# Altium PCB Copy of drac_v3.PcbDoc (part 3 of 5) (continued)
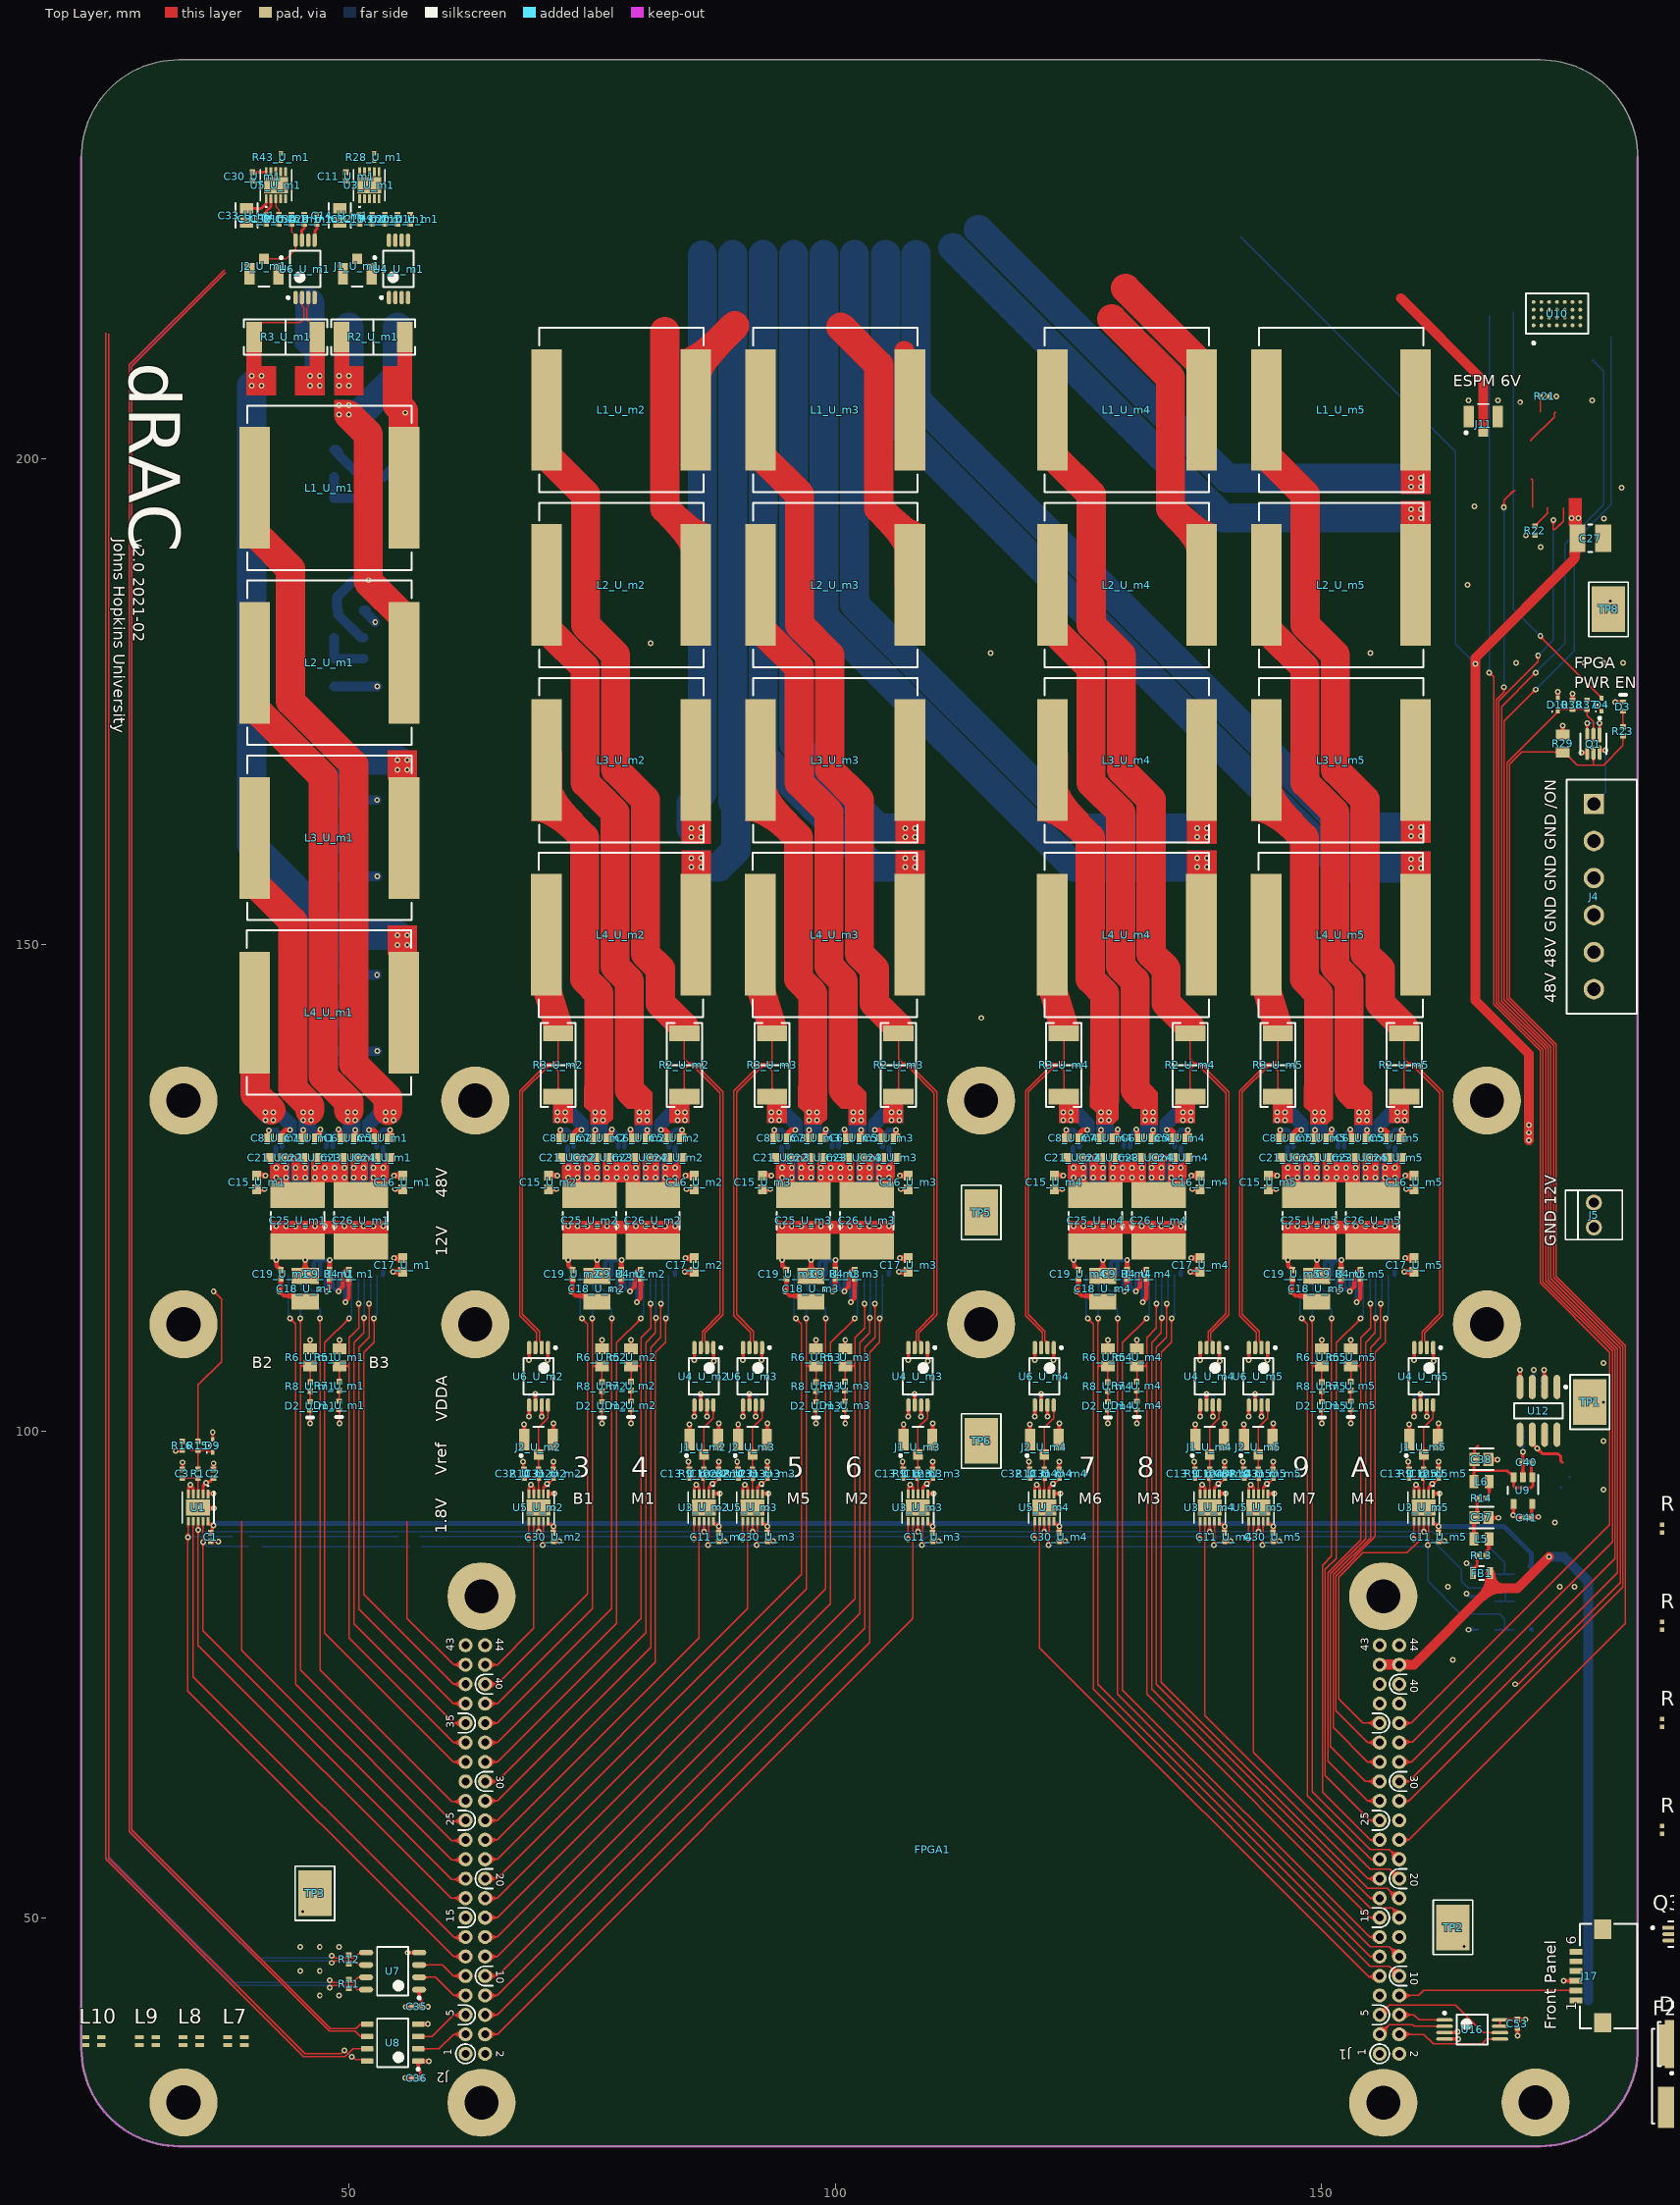
[diagram p0: Top Layer view]
## Nets (pads, with @x,y where several pads share a name; then routed paths per layer and width w, separated by ;. In a path a pad name is that pad's centre, name@x,y a point inside that pad or via, vN(x,y) a via of type N, cw(c..) or ccw(c..) an arc to the next point about the centre after c; other vN are vias at no path point) (continued)
  Bottom Layer w1: R27_U_m1.2@48.5,139.075 R26_U_m1.2@51.5,139.075 v1(52.925,139.075) ; R25_U_m1.2@48.5,157.075 R24_U_m1.2@51.5,157.075 v1(52.925,157.075) ; R20_U_m1.2@48.5,176.575 R19_U_m1.2@51.5,176.575 v1(52.925,176.575) ; C43_U_m1.1@51.5,146.9 v1(52.9,146.9) ; C42_U_m1.1@51.5,164.9 v1(52.9,164.9) ; C39_U_m1.1@51.75,184.4 C39_U_m1.1@51.5,184.4 v1(52.7,183.2)
  other v1: 47,42 49,42 45,44.5 47,44.5 45,47 47,47 49,47 164.675,47.05 45.25,50.625 163.5,76.5 163,84 174.5,84 176,84 179,94 115,99 179,99 179,103 179,107 42.525,121.098 43.525,121.098 44.525,121.098 45.525,121.098 46.525,121.098 47.525,121.098 48.525,121.098 49.525,121.098 50.525,121.098 51.525,121.098 52.525,121.098 53.525,121.098 72.525,121.098 73.525,121.098 74.525,121.098 75.525,121.098 76.525,121.098 77.525,121.098 78.525,121.098 79.525,121.098 80.525,121.098 81.525,121.098 82.525,121.098 83.525,121.098 94.525,121.098 95.525,121.098 96.525,121.098 97.525,121.098 98.525,121.098 99.525,121.098 100.525,121.098 101.525,121.098 102.525,121.098 103.525,121.098 104.525,121.098 105.525,121.098 124.525,121.098 125.525,121.098 126.525,121.098 127.525,121.098 128.525,121.098 129.525,121.098 130.525,121.098 131.525,121.098 132.525,121.098 133.525,121.098 134.525,121.098 135.525,121.098 146.525,121.098 147.525,121.098 148.525,121.098 149.525,121.098 150.525,121.098 151.525,121.098 152.525,121.098 153.525,121.098 154.525,121.098 155.525,121.098 156.525,121.098 157.525,121.098 115,122.5 44.525,126.098 45.525,126.098 50.525,126.098 51.525,126.098 74.525,126.098 75.525,126.098 80.525,126.098 81.525,126.098 96.525,126.098 97.525,126.098 102.525,126.098 103.525,126.098 126.525,126.098 127.525,126.098 132.525,126.098 133.525,126.098 148.525,126.098 149.525,126.098 154.525,126.098 155.525,126.098 44.525,127.098 45.525,127.098 50.525,127.098 51.525,127.098 74.525,127.098 75.525,127.098 80.525,127.098 81.525,127.098 96.525,127.098 97.525,127.098 102.525,127.098 103.525,127.098 126.525,127.098 127.525,127.098 132.525,127.098 133.525,127.098 148.525,127.098 149.525,127.098 154.525,127.098 155.525,127.098 115,142.5 170,179 177,179 179,179 181,179 116,180 155,180 81,181 179.703,185.35 165,187 172.531,190.907 171.031,192.107 179.031,193.807 165.731,195.107 180.831,197.007 170.431,205.807 165.131,206.007 168.131,206.007 177.831,206.007 174.131,206.407 133,313.775
ISENSE+2_U_m1: C43_U_m1.2 C48_U_m1.1 L4_U_m1.2 R3_U_m1.1 U6_U_m1.2 | length 83.4
  Top Layer w0.152: R3_U_m1.1@40.25,212.5 40.25,213.25 40.976,213.976 44.976,213.976 45.4,214.4 45.4,215.5 45.175,215.725 U6_U_m1.2@45.175,216.55
  Bottom Layer w1: 49.251,151 48.5,150.249 C48_U_m1.1@48.5,146.9 48.75,146.9 51.1,144.55 51.1,144.25 51.25,144.1 C43_U_m1.2@51.5,144.1
  Bottom Layer w3: v1(40,207.5) 40,160.251 49.251,151 v1(55,151)
  other v1: 55,150 56,150 56,151 41,207.5 40,208.5 41,208.5
ISENSE+2_U_m2: C43_U_m2.2 C48_U_m2.1 L4_U_m2.2 R3_U_m2.1 U6_U_m2.2
ISENSE+2_U_m3: C43_U_m3.2 C48_U_m3.1 L4_U_m3.2 R3_U_m3.1 U6_U_m3.2
ISENSE+2_U_m4: C43_U_m4.2 C48_U_m4.1 L4_U_m4.2 R3_U_m4.1 U6_U_m4.2
ISENSE+2_U_m5: C43_U_m5.2 C48_U_m5.1 L4_U_m5.2 R3_U_m5.1 U6_U_m5.2
ISENSE-1_U_m1: C28_U_m1.2 C44_U_m1.1 L1_U_m1.2 R2_U_m1.1 U4_U_m1.3 | length 25.5
  Top Layer w1: v1@55.6,204.9 v1(55.8,204.7)
  Top Layer w3: 55,208 55,205.5 55.6,204.9 55.6,197.075 L1_U_m1.2@55.675,197
  Bottom Layer w1: C44_U_m1.1@48.5,200.9 48.75,200.9 48.9,200.75 48.9,200.45 51.25,198.1 53.6,198.1 55.8,200.3 v1(55.8,204.7)
ISENSE-1_U_m2: C28_U_m2.2 C44_U_m2.1 L1_U_m2.2 R2_U_m2.1 U4_U_m2.3
ISENSE-1_U_m3: C28_U_m3.2 C44_U_m3.1 L1_U_m3.2 R2_U_m3.1 U4_U_m3.3
ISENSE-1_U_m4: C28_U_m4.2 C44_U_m4.1 L1_U_m4.2 R2_U_m4.1 U4_U_m4.3
ISENSE-1_U_m5: C28_U_m5.2 C44_U_m5.1 L1_U_m5.2 R2_U_m5.1 U4_U_m5.3
LVDS_RCLK: FPGA1.51 U7.2 | length 5.5
  Top Layer w0.147: U7.2@57.225,43.865 58.885,43.865 60.75,42 FPGA1.51@62,42
LVDS_RDAT: FPGA1.53 U7.3 | length 5.2
  Top Layer w0.147: U7.3@57.225,45.135 59.615,45.135 60.75,44 FPGA1.53@62,44
LVDS_TCLK: FPGA1.47 U8.2 | length 5.5
  Top Layer w0.147: U8.2@57.125,36.508 59.258,36.508 60.75,38 FPGA1.47@62,38
LVDS_TDAT: FPGA1.49 U8.3 | length 5.8
  Top Layer w0.147: U8.3@57.125,37.778 58.528,37.778 60.725,39.975 61.975,39.975 FPGA1.49@62,40
MISO_EEPROM: FPGA1.3 U16.2 | length 7.2
  Top Layer w0.147: FPGA1.3@155.98,38 156.98,39 159.353,39 159.528,38.825 U16.2@162.65,38.825
MOSI_EEPROM: FPGA1.4 U16.5 | length 11
  Top Layer w0.147: FPGA1.4@157.98,38 160.5,38 161.5,37 166.5,37 167.025,37.525 U16.5@168.35,37.525
MOTOR_POWER_EN: FPGA1.24 Q1.5 Q3.5 R23.2 R29.2 | length 141.6
  Top Layer w0.147: FPGA1.24@157.98,58 159,58 181.25,80.25 181.25,108.795 174.123,115.922 174.123,139.772 169.323,144.572 169.323,168.573 170.574,169.824 R29.2@174.8,169.824 174.951,169.824 176.275,168.5 177.888,168.5 ; Q1.5@177.95,169.766 177.95,168.563 177.888,168.5 ; R23.2@181,171.5 181,170.5 179,168.5 177.888,168.5
NetC3_1: C3.1 R1.1 U1.3 | length 3.3
  Top Layer w0.147: C3.1@32.866,95.22 32.89,95.196 R1.1@34.5,95.196 U1.3@34.5,93.551
NetC5_U_m1_1: C5_U_m1.1 U2_U_m1.35 | length 3.6
  Top Layer w0.5: C5_U_m1.1@54.202,130.148 54.237,130.183 54.237,130.96 v1(54.256,130.979)
  Bottom Layer w0.5: U2_U_m1.35@52.875,129.223 52.875,130.352 53.483,130.96 54.237,130.96 v1(54.256,130.979)
NetC5_U_m1_2: C5_U_m1.2 L1_U_m1.1 U2_U_m1.33 | length 71.1
  Top Layer w0.5: v1(52.075,130.998) 52.094,130.979 52.54,130.979 52.798,130.721 C5_U_m1.2@52.798,130.148
  Top Layer w3: L1_U_m1.1@40.325,197 40.4,196.925 40.4,192.25 44,188.65 44,175.072 50.5,168.572 50.5,137.79 54,134.29 54,133
  other v1: 53.775,131.998 54.575,131.998 53.775,132.798 54.575,132.798
NetC5_U_m2_1: C5_U_m2.1 U2_U_m2.35 | length 3.6
  Top Layer w0.5: C5_U_m2.1@84.202,130.148 84.237,130.183 84.237,130.96 v1(84.256,130.979)
  Bottom Layer w0.5: U2_U_m2.35@82.875,129.223 82.875,130.352 83.483,130.96 84.237,130.96 v1(84.256,130.979)
NetC5_U_m2_2: C5_U_m2.2 L1_U_m2.1 U2_U_m2.33 | length 36.3
  Top Layer w0.147: 84.5,134.398 84.5,137.223 84.878,137.601 85.36,137.601 88.176,134.785 88.176,112.087 86.326,110.237 86.326,109.306 86.175,109.155 86.175,108.598
  Top Layer w0.5: v1(82.075,130.998) 82.094,130.979 82.54,130.979 82.798,130.721 C5_U_m2.2@82.798,130.148
  other v1: 83.775,131.998 84.575,131.998 83.775,132.798 84.575,132.798
NetC5_U_m3_1: C5_U_m3.1 U2_U_m3.35 | length 3.6
  Top Layer w0.5: C5_U_m3.1@106.202,130.148 106.237,130.183 106.237,130.96 v1(106.256,130.979)
  Bottom Layer w0.5: U2_U_m3.35@104.875,129.223 104.875,130.352 105.483,130.96 106.237,130.96 v1(106.256,130.979)
NetC5_U_m3_2: C5_U_m3.2 L1_U_m3.1 U2_U_m3.33 | length 36.3
  Top Layer w0.147: 106.5,134.398 106.5,137.223 106.878,137.601 107.36,137.601 110.176,134.785 110.176,112.087 108.326,110.237 108.326,109.306 108.175,109.155 108.175,108.598
  Top Layer w0.5: v1(104.075,130.998) 104.094,130.979 104.54,130.979 104.798,130.721 C5_U_m3.2@104.798,130.148
  other v1: 105.775,131.998 106.575,131.998 105.775,132.798 106.575,132.798
NetC5_U_m4_1: C5_U_m4.1 U2_U_m4.35 | length 3.6
  Top Layer w0.5: C5_U_m4.1@136.202,130.148 136.237,130.183 136.237,130.96 v1(136.256,130.979)
  Bottom Layer w0.5: U2_U_m4.35@134.875,129.223 134.875,130.352 135.483,130.96 136.237,130.96 v1(136.256,130.979)
NetC5_U_m4_2: C5_U_m4.2 L1_U_m4.1 U2_U_m4.33 | length 36.3
  Top Layer w0.147: 136.5,134.398 136.5,137.223 136.878,137.601 137.36,137.601 140.176,134.785 140.176,112.087 138.326,110.237 138.326,109.306 138.175,109.155 138.175,108.598
  Top Layer w0.5: v1(134.075,130.998) 134.094,130.979 134.54,130.979 134.798,130.721 C5_U_m4.2@134.798,130.148
  other v1: 135.775,131.998 136.575,131.998 135.775,132.798 136.575,132.798
NetC5_U_m5_1: C5_U_m5.1 U2_U_m5.35 | length 3.6
  Top Layer w0.5: C5_U_m5.1@158.202,130.148 158.237,130.183 158.237,130.96 v1(158.256,130.979)
  Bottom Layer w0.5: U2_U_m5.35@156.875,129.223 156.875,130.352 157.483,130.96 158.237,130.96 v1(158.256,130.979)
NetC5_U_m5_2: C5_U_m5.2 L1_U_m5.1 U2_U_m5.33 | length 36.3
  Top Layer w0.147: 158.5,134.398 158.5,137.223 158.878,137.601 159.36,137.601 162.176,134.785 162.176,112.087 160.326,110.237 160.326,109.306 160.175,109.155 160.175,108.598
  Top Layer w0.5: v1(156.075,130.998) 156.094,130.979 156.54,130.979 156.798,130.721 C5_U_m5.2@156.798,130.148
  other v1: 157.775,131.998 158.575,131.998 157.775,132.798 158.575,132.798
NetC6_U_m1_1: C6_U_m1.1 U2_U_m1.28 | length 3.1
  Top Layer w0.5: v1(48.948,131.023) 48.948,130.996 49.044,130.9 49.044,130.354 49.066,130.354 49.272,130.148 C6_U_m1.1@49.298,130.148
  Bottom Layer w0.5: U2_U_m1.28@48.325,129.223 48.325,130.373 48.948,130.996 v1(48.948,131.023)
NetC6_U_m1_2: C6_U_m1.2 L2_U_m1.1 U2_U_m1.30 | length 50.9
  Top Layer w0.5: v1(50.675,130.998) 50.675,130.175 C6_U_m1.2@50.702,130.148
  Top Layer w3: L2_U_m1.1@40.325,179 40.4,178.925 40.4,174.25 47.373,167.277 47.373,136.495 50,133.868 v1@50,133
  other v1: 49.875,131.998 50.675,131.998 49.875,132.798 50.675,132.798
NetC6_U_m2_1: C6_U_m2.1 U2_U_m2.28 | length 3.1
  Top Layer w0.5: v1(78.948,131.023) 78.948,130.996 79.044,130.9 79.044,130.354 79.066,130.354 79.272,130.148 C6_U_m2.1@79.298,130.148
  Bottom Layer w0.5: U2_U_m2.28@78.325,129.223 78.325,130.373 78.948,130.996 v1(78.948,131.023)
NetC6_U_m2_2: C6_U_m2.2 L2_U_m2.1 U2_U_m2.30 | length 51.7
  Top Layer w0.5: v1(80.675,130.998) 80.675,130.175 C6_U_m2.2@80.702,130.148
  Top Layer w3: L2_U_m2.1@70.35,182.3 70.4,182.25 70.55,182.25 74.3,178.5 74.3,166.7 77.352,163.648 77.352,147.793 78.824,146.321 78.824,135.098
  other v1: 79.875,131.998 80.675,131.998 79.875,132.798 80.675,132.798
NetC6_U_m3_1: C6_U_m3.1 U2_U_m3.28 | length 3.1
  Top Layer w0.5: v1(100.948,131.023) 100.948,130.996 101.044,130.9 101.044,130.354 101.066,130.354 101.272,130.148 C6_U_m3.1@101.298,130.148
  Bottom Layer w0.5: U2_U_m3.28@100.325,129.223 100.325,130.373 100.948,130.996 v1(100.948,131.023)
NetC6_U_m3_2: C6_U_m3.2 L2_U_m3.1 U2_U_m3.30 | length 51.7
  Top Layer w0.5: v1(102.675,130.998) 102.675,130.175 C6_U_m3.2@102.702,130.148
  Top Layer w3: L2_U_m3.1@92.35,182.3 92.4,182.25 92.55,182.25 96.3,178.5 96.3,166.7 99.352,163.648 99.352,147.793 100.824,146.321 100.824,135.098
  other v1: 101.875,131.998 102.675,131.998 101.875,132.798 102.675,132.798
NetC6_U_m4_1: C6_U_m4.1 U2_U_m4.28 | length 3.1
  Top Layer w0.5: v1(130.948,131.023) 130.948,130.996 131.044,130.9 131.044,130.354 131.066,130.354 131.272,130.148 C6_U_m4.1@131.298,130.148
  Bottom Layer w0.5: U2_U_m4.28@130.325,129.223 130.325,130.373 130.948,130.996 v1(130.948,131.023)
NetC6_U_m4_2: C6_U_m4.2 L2_U_m4.1 U2_U_m4.30 | length 51.7
  Top Layer w0.5: v1(132.675,130.998) 132.675,130.175 C6_U_m4.2@132.702,130.148
  Top Layer w3: L2_U_m4.1@122.35,182.3 122.4,182.25 122.55,182.25 126.3,178.5 126.3,166.7 129.352,163.648 129.352,147.793 130.824,146.321 130.824,135.098
  other v1: 131.875,131.998 132.675,131.998 131.875,132.798 132.675,132.798
NetC6_U_m5_1: C6_U_m5.1 U2_U_m5.28 | length 3.1
  Top Layer w0.5: v1(152.948,131.023) 152.948,130.996 153.044,130.9 153.044,130.354 153.066,130.354 153.272,130.148 C6_U_m5.1@153.298,130.148
  Bottom Layer w0.5: U2_U_m5.28@152.325,129.223 152.325,130.373 152.948,130.996 v1(152.948,131.023)
NetC6_U_m5_2: C6_U_m5.2 L2_U_m5.1 U2_U_m5.30 | length 51.7
  Top Layer w0.5: v1(154.675,130.998) 154.675,130.175 C6_U_m5.2@154.702,130.148
  Top Layer w3: L2_U_m5.1@144.35,182.3 144.4,182.25 144.55,182.25 148.3,178.5 148.3,166.7 151.352,163.648 151.352,147.793 152.824,146.321 152.824,135.098
  other v1: 153.875,131.998 154.675,131.998 153.875,132.798 154.675,132.798
NetC7_U_m1_1: C7_U_m1.1 U2_U_m1.27 | length 3.1
  Top Layer w0.5: C7_U_m1.1@46.702,130.148 46.728,130.148 46.934,130.354 46.956,130.354 46.956,130.9 47.052,130.996 v1(47.052,131.023)
  Bottom Layer w0.5: v1(47.052,131.023) 47.052,130.996 47.675,130.373 U2_U_m1.27@47.675,129.223
NetC7_U_m1_2: C7_U_m1.2 L3_U_m1.1 U2_U_m1.25 | length 31.2
  Top Layer w0.5: C7_U_m1.2@45.298,130.148 45.325,130.175 v1(45.325,130.998)
  Top Layer w3: L3_U_m1.1@40.325,161 40.4,160.925 40.4,156.25 44.246,152.404 44.246,135.199 46,133.445 v1@46,133
  other v1: 45.325,131.998 46.125,131.998 45.325,132.798 46.125,132.798
NetC7_U_m2_1: C7_U_m2.1 U2_U_m2.27 | length 3.1
  Top Layer w0.5: C7_U_m2.1@76.702,130.148 76.728,130.148 76.934,130.354 76.956,130.354 76.956,130.9 77.052,130.996 v1(77.052,131.023)
  Bottom Layer w0.5: v1(77.052,131.023) 77.052,130.996 77.675,130.373 U2_U_m2.27@77.675,129.223
NetC7_U_m2_2: C7_U_m2.2 L3_U_m2.1 U2_U_m2.25 | length 37.6
  Top Layer w0.5: C7_U_m2.2@75.298,130.148 75.325,130.175 v1(75.325,130.998)
  Top Layer w3: L3_U_m2.1@70.35,169.598 70.425,169.523 70.425,164.848 74.225,161.048 74.225,146.498 75.697,145.026 75.697,135.098
  other v1: 75.325,131.998 76.125,131.998 75.325,132.798 76.125,132.798
NetC7_U_m3_1: C7_U_m3.1 U2_U_m3.27 | length 3.1
  Top Layer w0.5: C7_U_m3.1@98.702,130.148 98.728,130.148 98.934,130.354 98.956,130.354 98.956,130.9 99.052,130.996 v1(99.052,131.023)
  Bottom Layer w0.5: v1(99.052,131.023) 99.052,130.996 99.675,130.373 U2_U_m3.27@99.675,129.223
NetC7_U_m3_2: C7_U_m3.2 L3_U_m3.1 U2_U_m3.25 | length 37.6
  Top Layer w0.5: C7_U_m3.2@97.298,130.148 97.325,130.175 v1(97.325,130.998)
  Top Layer w3: L3_U_m3.1@92.35,169.598 92.425,169.523 92.425,164.848 96.225,161.048 96.225,146.498 97.697,145.026 97.697,135.098
  other v1: 97.325,131.998 98.125,131.998 97.325,132.798 98.125,132.798
NetC7_U_m4_1: C7_U_m4.1 U2_U_m4.27 | length 3.1
  Top Layer w0.5: C7_U_m4.1@128.702,130.148 128.728,130.148 128.934,130.354 128.956,130.354 128.956,130.9 129.052,130.996 v1(129.052,131.023)
  Bottom Layer w0.5: v1(129.052,131.023) 129.052,130.996 129.675,130.373 U2_U_m4.27@129.675,129.223
NetC7_U_m4_2: C7_U_m4.2 L3_U_m4.1 U2_U_m4.25 | length 37.6
  Top Layer w0.5: C7_U_m4.2@127.298,130.148 127.325,130.175 v1(127.325,130.998)
  Top Layer w3: L3_U_m4.1@122.35,169.598 122.425,169.523 122.425,164.848 126.225,161.048 126.225,146.498 127.697,145.026 127.697,135.098
  other v1: 127.325,131.998 128.125,131.998 127.325,132.798 128.125,132.798
NetC7_U_m5_1: C7_U_m5.1 U2_U_m5.27 | length 3.1
  Top Layer w0.5: C7_U_m5.1@150.702,130.148 150.728,130.148 150.934,130.354 150.956,130.354 150.956,130.9 151.052,130.996 v1(151.052,131.023)
  Bottom Layer w0.5: v1(151.052,131.023) 151.052,130.996 151.675,130.373 U2_U_m5.27@151.675,129.223
NetC7_U_m5_2: C7_U_m5.2 L3_U_m5.1 U2_U_m5.25 | length 37.6
  Top Layer w0.5: C7_U_m5.2@149.298,130.148 149.325,130.175 v1(149.325,130.998)
  Top Layer w3: L3_U_m5.1@144.35,169.598 144.425,169.523 144.425,164.848 148.225,161.048 148.225,146.498 149.697,145.026 149.697,135.098
  other v1: 149.325,131.998 150.125,131.998 149.325,132.798 150.125,132.798
NetC8_U_m1_1: C8_U_m1.1 U2_U_m1.20 | length 3.5
  Top Layer w0.5: v1(41.763,130.927) 41.781,130.91 41.781,130.166 C8_U_m1.1@41.798,130.148
  Bottom Layer w0.5: v1(41.763,130.927) 41.782,130.946 42.504,130.946 42.517,130.96 43.125,130.352 U2_U_m1.20@43.125,129.223
NetC8_U_m1_2: C8_U_m1.2 L4_U_m1.1 U2_U_m1.22 | length 12.1
  Top Layer w0.5: C8_U_m1.2@43.202,130.148 43.202,130.721 43.46,130.979 43.906,130.979 v1(43.925,130.998)
  Top Layer w3: L4_U_m1.1@40.3,143.05 40.375,142.975 40.375,134.648 42,133.023
  other v1: 41.425,131.998 42.225,131.998 41.425,132.798 42.225,132.798
NetC8_U_m2_1: C8_U_m2.1 U2_U_m2.20 | length 3.6
  Top Layer w0.5: v1(71.744,130.979) 71.763,130.96 71.763,130.183 C8_U_m2.1@71.798,130.148
  Bottom Layer w0.5: v1(71.744,130.979) 71.763,130.96 72.517,130.96 73.125,130.352 U2_U_m2.20@73.125,129.223
NetC8_U_m2_2: C8_U_m2.2 L4_U_m2.1 U2_U_m2.22 | length 36.1
  Top Layer w0.147: 69.825,108.598 69.825,109.061 69.575,109.311 69.575,110.285 67.85,112.01 67.85,134.861 70.512,137.523 71.075,137.523 71.525,137.073 71.525,134.423 71.5,134.398
  Top Layer w0.5: C8_U_m2.2@73.202,130.148 73.202,130.721 73.46,130.979 73.906,130.979 v1(73.925,130.998)
  other v1: 71.425,131.998 72.225,131.998 71.425,132.798 72.225,132.798
NetC8_U_m3_1: C8_U_m3.1 U2_U_m3.20 | length 3.6
  Top Layer w0.5: v1(93.744,130.979) 93.763,130.96 93.763,130.183 C8_U_m3.1@93.798,130.148
  Bottom Layer w0.5: v1(93.744,130.979) 93.763,130.96 94.517,130.96 95.125,130.352 U2_U_m3.20@95.125,129.223
NetC8_U_m3_2: C8_U_m3.2 L4_U_m3.1 U2_U_m3.22 | length 36.1
  Top Layer w0.147: 91.825,108.598 91.825,109.061 91.575,109.311 91.575,110.285 89.85,112.01 89.85,134.861 92.512,137.523 93.075,137.523 93.525,137.073 93.525,134.423 93.5,134.398
  Top Layer w0.5: C8_U_m3.2@95.202,130.148 95.202,130.721 95.46,130.979 95.906,130.979 v1(95.925,130.998)
  other v1: 93.425,131.998 94.225,131.998 93.425,132.798 94.225,132.798
NetC8_U_m4_1: C8_U_m4.1 U2_U_m4.20 | length 3.6
  Top Layer w0.5: v1(123.744,130.979) 123.763,130.96 123.763,130.183 C8_U_m4.1@123.798,130.148
  Bottom Layer w0.5: v1(123.744,130.979) 123.763,130.96 124.517,130.96 125.125,130.352 U2_U_m4.20@125.125,129.223
NetC8_U_m4_2: C8_U_m4.2 L4_U_m4.1 U2_U_m4.22 | length 36.1
  Top Layer w0.147: 121.825,108.598 121.825,109.061 121.575,109.311 121.575,110.285 119.85,112.01 119.85,134.861 122.512,137.523 123.075,137.523 123.525,137.073 123.525,134.423 123.5,134.398
  Top Layer w0.5: C8_U_m4.2@125.202,130.148 125.202,130.721 125.46,130.979 125.906,130.979 v1(125.925,130.998)
  other v1: 123.425,131.998 124.225,131.998 123.425,132.798 124.225,132.798
NetC8_U_m5_1: C8_U_m5.1 U2_U_m5.20 | length 3.6
  Top Layer w0.5: v1(145.744,130.979) 145.763,130.96 145.763,130.183 C8_U_m5.1@145.798,130.148
  Bottom Layer w0.5: v1(145.744,130.979) 145.763,130.96 146.517,130.96 147.125,130.352 U2_U_m5.20@147.125,129.223
NetC8_U_m5_2: C8_U_m5.2 L4_U_m5.1 U2_U_m5.22 | length 36.1
  Top Layer w0.147: 143.825,108.598 143.825,109.061 143.575,109.311 143.575,110.285 141.85,112.01 141.85,134.861 144.512,137.523 145.075,137.523 145.525,137.073 145.525,134.423 145.5,134.398
  Top Layer w0.5: C8_U_m5.2@147.202,130.148 147.202,130.721 147.46,130.979 147.906,130.979 v1(147.925,130.998)
  other v1: 145.425,131.998 146.225,131.998 145.425,132.798 146.225,132.798
NetC13_U_m1_1: C13_U_m1.1 R9_U_m1.1 U3_U_m1.3
NetC13_U_m2_1: C13_U_m2.1 R9_U_m2.1 U3_U_m2.3 | length 3.2
  Top Layer w0.147: C13_U_m2.1@85,95.22 85.024,95.196 R9_U_m2.1@86.5,95.196 U3_U_m2.3@86.5,93.551
NetC13_U_m3_1: C13_U_m3.1 R9_U_m3.1 U3_U_m3.3 | length 3.2
  Top Layer w0.147: C13_U_m3.1@107,95.22 107.024,95.196 R9_U_m3.1@108.5,95.196 U3_U_m3.3@108.5,93.551
NetC13_U_m4_1: C13_U_m4.1 R9_U_m4.1 U3_U_m4.3 | length 3.2
  Top Layer w0.147: C13_U_m4.1@137,95.22 137.024,95.196 R9_U_m4.1@138.5,95.196 U3_U_m4.3@138.5,93.551
NetC13_U_m5_1: C13_U_m5.1 R9_U_m5.1 U3_U_m5.3 | length 3.2
  Top Layer w0.147: C13_U_m5.1@159,95.22 159.024,95.196 R9_U_m5.1@160.5,95.196 U3_U_m5.3@160.5,93.551
NetC32_U_m1_1: C32_U_m1.1 R10_U_m1.1 U5_U_m1.3 | length 3.1
  Top Layer w0.152: U5_U_m1.3@42.5,226.698 42.5,225.9 42.8,225.6 C32_U_m1.1@42.8,225.029 42.824,225.052 R10_U_m1.1@44.1,225.052
NetC32_U_m2_1: C32_U_m2.1 R10_U_m2.1 U5_U_m2.3 | length 3.2
  Top Layer w0.147: C32_U_m2.1@68,95.22 68.024,95.196 R10_U_m2.1@69.5,95.196 U5_U_m2.3@69.5,93.551
NetC32_U_m3_1: C32_U_m3.1 R10_U_m3.1 U5_U_m3.3 | length 3.2
  Top Layer w0.147: C32_U_m3.1@90,95.22 90.024,95.196 R10_U_m3.1@91.5,95.196 U5_U_m3.3@91.5,93.551
NetC32_U_m4_1: C32_U_m4.1 R10_U_m4.1 U5_U_m4.3 | length 3.2
  Top Layer w0.147: C32_U_m4.1@120,95.22 120.024,95.196 R10_U_m4.1@121.5,95.196 U5_U_m4.3@121.5,93.551
NetC32_U_m5_1: C32_U_m5.1 R10_U_m5.1 U5_U_m5.3 | length 3.2
  Top Layer w0.147: C32_U_m5.1@142,95.22 142.024,95.196 R10_U_m5.1@143.5,95.196 U5_U_m5.3@143.5,93.551
NetC37_1: C37.1 L5.2 R14.1 | length 4.3
  Top Layer w0.3: L5.2@165.662,88.924 165.662,91.066 C37.1@165.721,91.125 165.995,91.399 R14.1@165.995,93.124
NetC44_U_m1_2: C44_U_m1.2 R17_U_m1.1 R18_U_m1.1 | length 5.2
  Bottom Layer w1: C44_U_m1.2@48.5,198.1 R18_U_m1.1@48.5,195.925 R17_U_m1.1@51.5,195.925
NetC44_U_m2_2: C44_U_m2.2 R17_U_m2.1 R18_U_m2.1
NetC44_U_m3_2: C44_U_m3.2 R17_U_m3.1 R18_U_m3.1
NetC44_U_m4_2: C44_U_m4.2 R17_U_m4.1 R18_U_m4.1
NetC44_U_m5_2: C44_U_m5.2 R17_U_m5.1 R18_U_m5.1
NetC45_U_m1_2: C45_U_m1.2 R19_U_m1.1 R20_U_m1.1 | length 5.2
  Bottom Layer w1: C45_U_m1.2@48.5,181.6 R20_U_m1.1@48.5,179.425 R19_U_m1.1@51.5,179.425
NetC45_U_m2_2: C45_U_m2.2 R19_U_m2.1 R20_U_m2.1
NetC45_U_m3_2: C45_U_m3.2 R19_U_m3.1 R20_U_m3.1
NetC45_U_m4_2: C45_U_m4.2 R19_U_m4.1 R20_U_m4.1
NetC45_U_m5_2: C45_U_m5.2 R19_U_m5.1 R20_U_m5.1
NetC46_U_m1_2: C46_U_m1.2 R24_U_m1.1 R25_U_m1.1 | length 5.2
  Bottom Layer w1: C46_U_m1.2@48.5,162.1 R25_U_m1.1@48.5,159.925 R24_U_m1.1@51.5,159.925
NetC46_U_m2_2: C46_U_m2.2 R24_U_m2.1 R25_U_m2.1
NetC46_U_m3_2: C46_U_m3.2 R24_U_m3.1 R25_U_m3.1
NetC46_U_m4_2: C46_U_m4.2 R24_U_m4.1 R25_U_m4.1
NetC46_U_m5_2: C46_U_m5.2 R24_U_m5.1 R25_U_m5.1
NetC48_U_m1_2: C48_U_m1.2 R26_U_m1.1 R27_U_m1.1 | length 5.2
  Bottom Layer w1: C48_U_m1.2@48.5,144.1 R27_U_m1.1@48.5,141.925 R26_U_m1.1@51.5,141.925
NetC48_U_m2_2: C48_U_m2.2 R26_U_m2.1 R27_U_m2.1
NetC48_U_m3_2: C48_U_m3.2 R26_U_m3.1 R27_U_m3.1
NetC48_U_m4_2: C48_U_m4.2 R26_U_m4.1 R27_U_m4.1
NetC48_U_m5_2: C48_U_m5.2 R26_U_m5.1 R27_U_m5.1
NetD1_U_m1_1: D1_U_m1.1 R7_U_m1.1 | length 1.1
  Top Layer w0.147: D1_U_m1.1@49,103.098 R7_U_m1.1@49,104.196
NetD1_U_m2_1: D1_U_m2.1 R7_U_m2.1 | length 1.1
  Top Layer w0.147: D1_U_m2.1@79,103.098 R7_U_m2.1@79,104.196
NetD1_U_m3_1: D1_U_m3.1 R7_U_m3.1 | length 1.1
  Top Layer w0.147: D1_U_m3.1@101,103.098 R7_U_m3.1@101,104.196
NetD1_U_m4_1: D1_U_m4.1 R7_U_m4.1 | length 1.1
  Top Layer w0.147: D1_U_m4.1@131,103.098 R7_U_m4.1@131,104.196
NetD1_U_m5_1: D1_U_m5.1 R7_U_m5.1 | length 1.1
  Top Layer w0.147: D1_U_m5.1@153,103.098 R7_U_m5.1@153,104.196
NetD2_U_m1_1: D2_U_m1.1 R8_U_m1.1 | length 1.1
  Top Layer w0.147: D2_U_m1.1@46.025,103.048 R8_U_m1.1@46.025,104.146
NetD2_U_m2_1: D2_U_m2.1 R8_U_m2.1 | length 1.1
  Top Layer w0.147: D2_U_m2.1@76.025,103.048 R8_U_m2.1@76.025,104.146
NetD2_U_m3_1: D2_U_m3.1 R8_U_m3.1 | length 1.1
  Top Layer w0.147: D2_U_m3.1@98.025,103.048 R8_U_m3.1@98.025,104.146
NetD2_U_m4_1: D2_U_m4.1 R8_U_m4.1 | length 1.1
  Top Layer w0.147: D2_U_m4.1@128.025,103.048 R8_U_m4.1@128.025,104.146
NetD2_U_m5_1: D2_U_m5.1 R8_U_m5.1 | length 1.1
  Top Layer w0.147: D2_U_m5.1@150.025,103.048 R8_U_m5.1@150.025,104.146
NetD3_1: D3.1 R23.1 | length 1.6
  Top Layer w0.147: R23.1@181,172.404 D3.1@181,174.05
NetD4_1: D4.1 R37.2 | length 2
  Top Layer w0.147: R37.2@177.3,175.152 177.333,175.12 177.72,175.12 178.633,174.207 178.673,174.207 178.8,174.08 D4.1@178.8,174.04
NetD4_2: D4.2 P1.1 P1.6 R42.2 | length 69.1
  Top Layer w0.147: P1.6@162,300.3 P1.1@162,310.5 ; v1(172.5,181.75) 172.5,181.7 178.8,175.4 D4.2@178.8,175.36
  Bottom Layer w0.147: R42.2@161,314.548 161.002,314.548 162,313.55 P1.1@162,310.5 ; P1.6@162,300.3 169.75,292.55 ; 169.75,215.05 169.75,184.5 v1(172.5,181.75)
NetD11_2: D11.2 Q2.6 U15.8 | length 6.4
  Top Layer w0.147: D11.2@168.84,294.4 168.88,294.4 169.925,293.355 169.925,292.672 170.047,292.55 Q2.6@170.401,292.55 171.45,292.55 172.41,291.59 U15.8@173.65,291.59
NetD12_2: D12.2 R39.1 | length 1.8
  Bottom Layer w0.147: R39.1@141,315.452 D12.2@141,317.265
NetD13_2: D13.2 R40.1 | length 1.8
  Bottom Layer w0.147: R40.1@150.8,315.452 150.8,317.207 D13.2@150.858,317.265
NetD14_2: D14.2 R41.1 | length 1.8
  Bottom Layer w0.147: R41.1@156,315.452 156,317.18 D14.2@156.085,317.265
NetD15_2: D15.2 R42.1 | length 1.8
  Bottom Layer w0.147: R42.1@161,315.452 D15.2@161,317.265
NetF2_1: F2.1 J4.5 J4.6
NetFB1_2: FB1.2 R13.1 | length 2
  Top Layer w0.3: FB1.2@165.547,85.424 165.547,85.749 165.995,86.196 R13.1@165.995,87.224
NetJ1_U_m1_2: J1_U_m1.2 R9_U_m1.2 U4_U_m1.8
NetJ1_U_m2_2: J1_U_m2.2 R9_U_m2.2 U4_U_m2.8 | length 7
  Top Layer w0.147: R9_U_m2.2@86.5,96.1 J1_U_m2.2@86.5,97.623 86.5,100.373 87.475,101.348 U4_U_m2.8@87.475,102.698
NetJ1_U_m3_2: J1_U_m3.2 R9_U_m3.2 U4_U_m3.8 | length 7
  Top Layer w0.147: R9_U_m3.2@108.5,96.1 J1_U_m3.2@108.5,97.623 108.5,100.373 109.475,101.348 U4_U_m3.8@109.475,102.698
NetJ1_U_m4_2: J1_U_m4.2 R9_U_m4.2 U4_U_m4.8 | length 7
  Top Layer w0.147: R9_U_m4.2@138.5,96.1 J1_U_m4.2@138.5,97.623 138.5,100.373 139.475,101.348 U4_U_m4.8@139.475,102.698
NetJ1_U_m5_2: J1_U_m5.2 R9_U_m5.2 U4_U_m5.8 | length 7
  Top Layer w0.147: R9_U_m5.2@160.5,96.1 J1_U_m5.2@160.5,97.623 160.5,100.373 161.475,101.348 U4_U_m5.8@161.475,102.698
NetJ2_U_m1_2: J2_U_m1.2 R10_U_m1.2 U6_U_m1.8 | length 6.5
  Top Layer w0.152: J2_U_m1.2@41.273,220.525 43.525,220.525 44.525,221.525 U6_U_m1.8@44.525,222.45 44.525,222.925 44.1,223.35 R10_U_m1.2@44.1,224.148
NetJ2_U_m2_2: J2_U_m2.2 R10_U_m2.2 U6_U_m2.8 | length 7
  Top Layer w0.147: R10_U_m2.2@69.5,96.1 J2_U_m2.2@69.5,97.623 69.5,100.373 70.475,101.348 U6_U_m2.8@70.475,102.698
NetJ2_U_m3_2: J2_U_m3.2 R10_U_m3.2 U6_U_m3.8 | length 7
  Top Layer w0.147: R10_U_m3.2@91.5,96.1 J2_U_m3.2@91.5,97.623 91.5,100.373 92.475,101.348 U6_U_m3.8@92.475,102.698
NetJ2_U_m4_2: J2_U_m4.2 R10_U_m4.2 U6_U_m4.8 | length 7
  Top Layer w0.147: R10_U_m4.2@121.5,96.1 J2_U_m4.2@121.5,97.623 121.5,100.373 122.475,101.348 U6_U_m4.8@122.475,102.698
NetJ2_U_m5_2: J2_U_m5.2 R10_U_m5.2 U6_U_m5.8 | length 7
  Top Layer w0.147: R10_U_m5.2@143.5,96.1 J2_U_m5.2@143.5,97.623 143.5,100.373 144.475,101.348 U6_U_m5.8@144.475,102.698
NetJ4_1: J4.1 Q1.6 | length 6.8
  Top Layer w0.147: Q1.6@178.6,169.766 178.6,169.877 178.723,170 v1(179.2,170)
  Bottom Layer w0.147: J4.1@178,164.5 179.2,165.7 v1(179.2,170)
NetL5_1: L5.1 R13.2 | length 1.8
  Top Layer w0.3: R13.2@166.899,87.224 166.899,87.624 167.2,87.925 167.2,88.892 L5.1@167.232,88.924
NetL6_1: L6.1 R14.2 | length 1.8
  Top Layer w0.3: R14.2@166.899,93.124 166.899,93.126 167.232,93.459 L6.1@167.232,94.824
NetL7_1: L7.1 U7.8
NetL7_4: L7.4 U7.7
NetL8_1: L8.1 U7.6
NetL8_4: L8.4 U7.5
NetL9_1: L9.1 U8.7 | length 192.5
  Top Layer w0.127: 25.025,212.925 25.025,56.05 45.358,35.717 49.642,35.717 50.433,36.508 U8.7@51.875,36.508
NetL9_4: L9.4 U8.8 | length 192.2
  Top Layer w0.127: 25.308,212.808 25.308,56.167 45.475,36 49.2,36 v1(49.55,36.35) ; v1(50.297,35.678) 50.425,35.678 50.703,35.4 51.713,35.4 U8.8@51.875,35.238
  Bottom Layer w0.127: v1(49.55,36.35) 49.587,36.35 50.259,35.678 v1(50.297,35.678)
NetL10_1: L10.1 U8.6 | length 197.8
  Top Layer w0.127: 37.2,219.4 27.417,209.617 27.417,58.883 29.9,56.4 47.983,38.317 50.647,38.317 51.186,37.778 U8.6@51.875,37.778
NetL10_4: L10.4 U8.5 | length 196.9
  Top Layer w0.127: 37.317,219.117 27.7,209.5 27.7,59 48.1,38.6 50.738,38.6 51.186,39.048 U8.5@51.875,39.048
NetP1_2: P1.2 P1.7 R41.2 U15.5 | length 32.8
  Top Layer w0.147: P1.2@156.92,310.5 P1.7@156.92,300.3 159.22,298 164,298 165.21,299.21 U15.5@173.65,299.21
  Bottom Layer w0.147: R41.2@156,314.548 156,311.588 156.92,310.668 P1.2@156.92,310.5
NetP1_3: P1.3 P1.8 R40.2 U15.6 | length 39.8
  Top Layer w0.147: P1.3@151.84,310.5 P1.8@151.84,300.3 151.84,298.66 153,297.5 165.5,297.5 166.5,298.5 171.32,298.5 173.15,296.67 U15.6@173.65,296.67
  Bottom Layer w0.147: R40.2@150.8,314.548 150.8,311.54 P1.3@151.84,310.5
NetP2_3: P2.3 Q3.6
NetQ1_1: Q1.1 Q1.3 | length 3.8
  Top Layer w0.147: Q1.3@177.3,171.568 v1(177.3,172.8) ; Q1.1@178.6,171.568 v1(178.6,172.8)
  Bottom Layer w0.147: v1(177.3,172.8) v1(178.6,172.8)
NetQ3_1: Q3.1 Q3.3